# Altium PCB GameBoard_V1I1.PcbDoc (part 17 of 22)
Units mil, origin at the board's own origin, x right, y up, seen from the top; angles counter-clockwise.
Board outline 7165.35 x 2814.96 mil, 12 copper layers (L1, L2, L3, L4, L5 (PWR), L6 (PWR), L7 (PWR), L8 (PWR), L9, L10, L11, L12), stack 61.575 mil thick; 1551 components, 1072 nets, 5467 pads, 3785 vias.
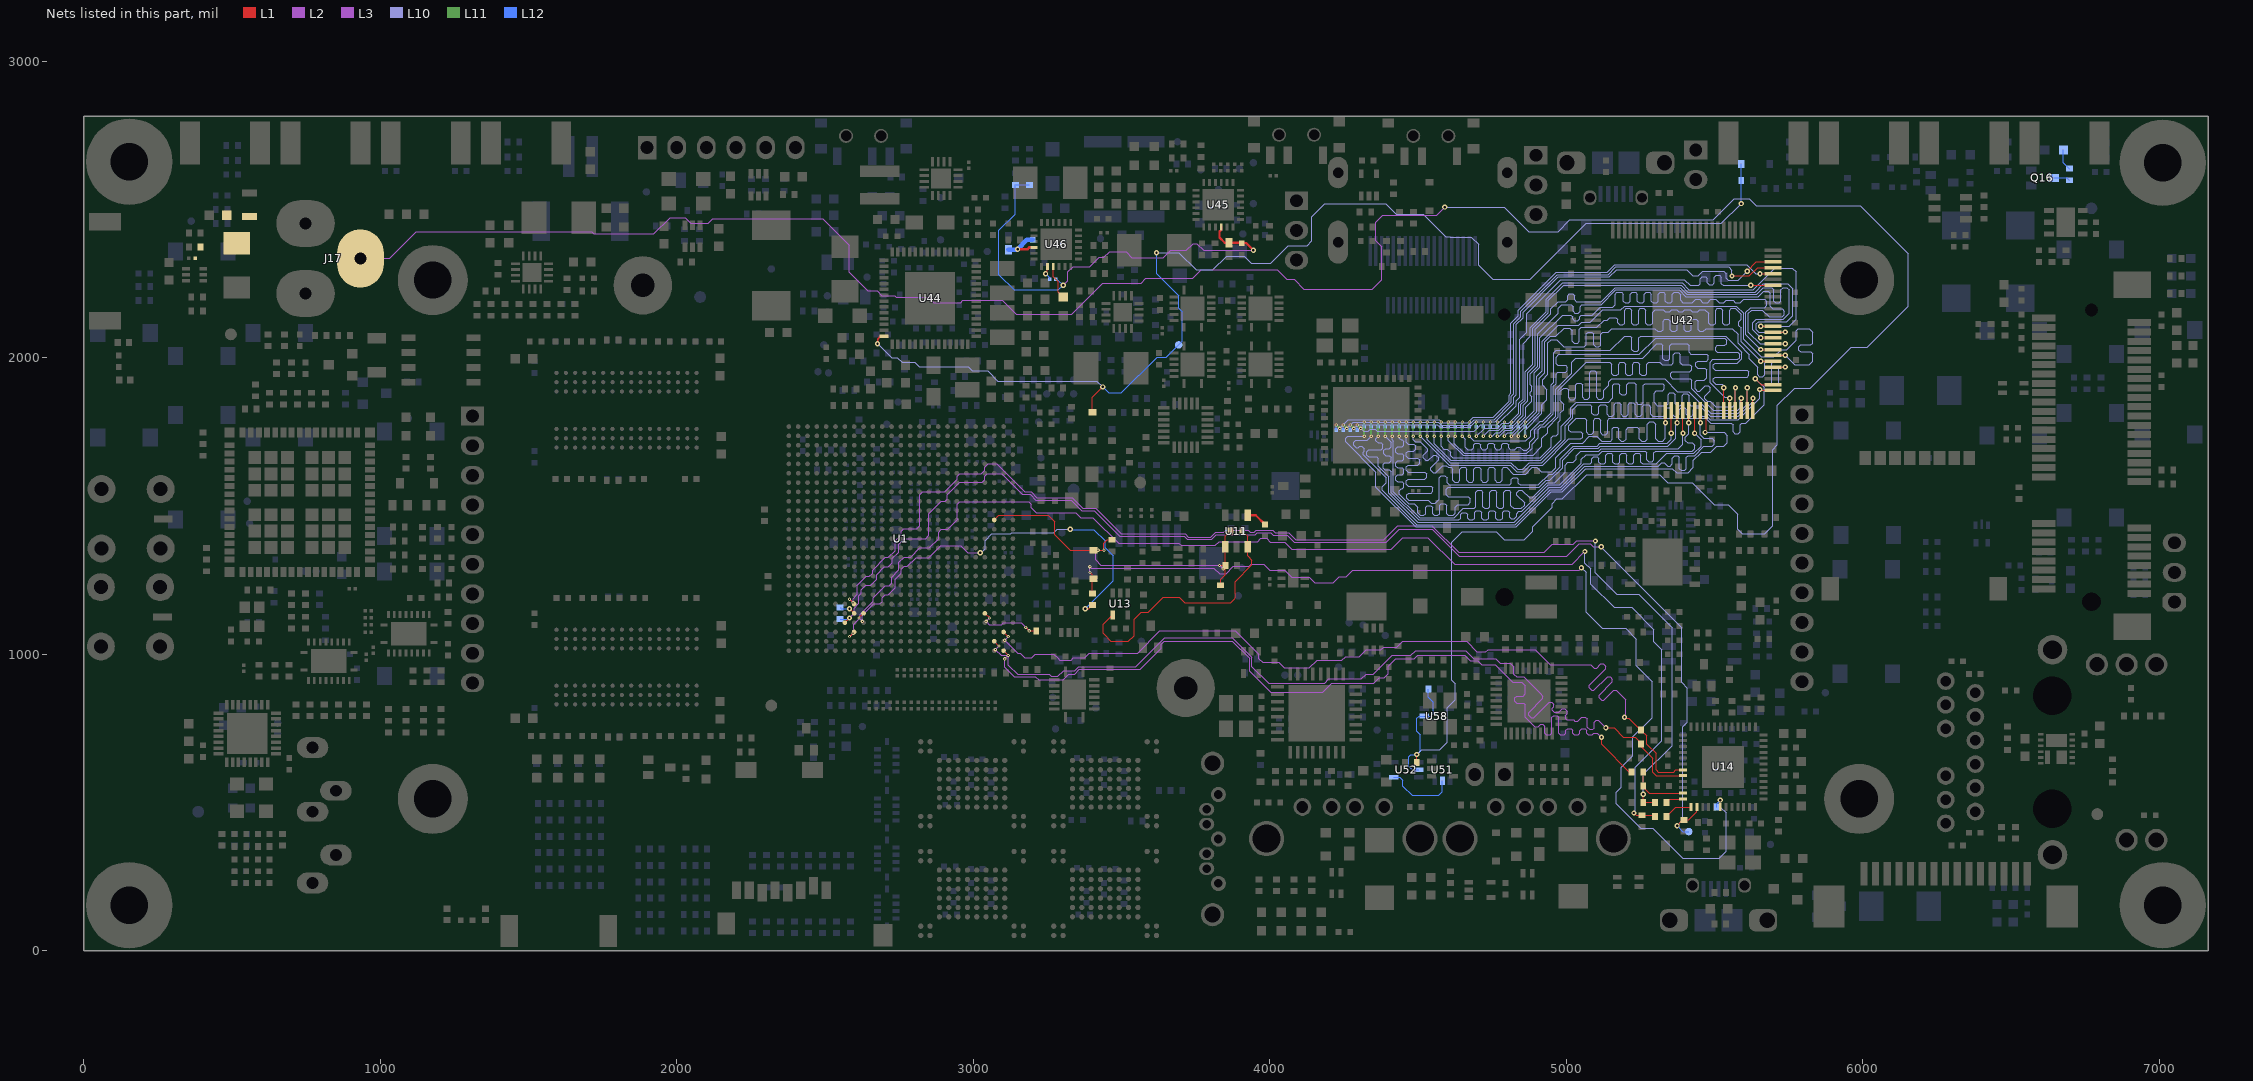
[diagram p27: the nets of this part, all layers, seen from the top]

## Via types
v1: diameter 17.72, hole 7.87, L1 to L12, 1935 vias
v2: diameter 17.72, hole 7.87, L1 to L12, tented both sides, 995 vias
v3: diameter 10.63, hole 3.94, L1 to L2, 334 vias
v4: diameter 11.81, hole 3.94, L2 to L3, 334 vias
v5: diameter 10.63, hole 3.94, L11 to L12, 94 vias
v6: diameter 11.81, hole 3.94, L10 to L11, 93 vias

## Nets (pads, with @x,y where several pads share a name; then routed paths per layer and width w, separated by ;. In a path a pad name is that pad's centre, name@x,y a point inside that pad or via, vN(x,y) a via of type N, cw(c..) or ccw(c..) an arc to the next point about the centre after c; other vN are vias at no path point) (continued)
POR_Bn: D3.1 R91.1 R96.1 R99.1 R108.1 U1.C11 U11.1 | length 1237.7
  L1 w3.15: U1.C11@3070.87,1452.76 3086.61,1468.5 3253.16,1468.5 3275.59,1446.08 3275.59,1402.6 3327.04,1351.15 D3.1@3405.51,1351.15 3416.34,1351.15 3417.09,1350.39 v3(3440.94,1350.39) 3440.94,1374.02 3452.76,1385.83 R96.1@3468.5,1385.83 ; v3(3830.71,1299.21) R91.1@3850.39,1299.21 ; R108.1@3834.65,1232.28 3834.65,1251.97 3850.39,1267.72 R91.1@3850.39,1299.21 ; R99.1@3868.11,1415.35 3850.39,1397.64 U11.1@3850.39,1362.2 R91.1@3850.39,1299.21
  L3 w3.15: v4(3421.26,1350.39) 3413.39,1342.52 3413.39,1317.7 3430.89,1300.2 3829.72,1300.2 v4(3842.52,1287.4)
  L2 w3.15: v4(3421.26,1350.39) v3(3440.94,1350.39) ; v3(3830.71,1299.21) v4(3842.52,1287.4)
POR_CT: C101.1 U11.4 | length 72.1
  L1 w7.87: U11.4@3925.2,1468.5 3952.76,1468.5 C101.1@3984.25,1437.01
POR_R_Bn: R99.2 U11.3 U13.4 | length 902.3
  L1 w3.15: U13.4@3470.47,1127.95 3465.55,1127.95 3437.99,1100.39 3437.99,1069.88 3464.57,1043.31 3523.62,1043.31 3543.31,1062.99 3543.31,1118.11 3566.93,1141.73 3590.55,1141.73 3640.75,1191.93 3695.09,1191.93 3713.79,1173.23 3867.86,1173.23 3882.87,1188.25 3882.87,1245.08 3939.96,1302.17 3939.96,1317.14 3925.2,1331.9 U11.3@3925.2,1362.2 3925.2,1397.64 R99.2@3907.48,1415.35
PowerGood2: D51.1 U46.3 | length 116.2
  L1 w3.15: U46.3@3269.69,2307.09 3269.69,2273.62 3287.4,2255.91 3287.4,2220.47 D51.1@3303.15,2204.72
PSEL2: R494.1 U46.2 | length 50.4
  L1 w3.15: v1(3244.09,2283.46) 3250,2289.37 U46.2@3250,2307.09
  L12 w3.15: v1(3244.09,2283.46) 3257.68,2269.88 R494.1@3257.68,2264.76
PWR_1V8WIFI: C524.1 C526.1 L19.2 R507.1 R509.2
PWR_LED_GRN_D: D41.1 R410.1 | length 71.1
  L12 w3.15: D41.1@6677.17,2700.79 6677.17,2657.48 R410.1@6696.85,2637.8
PWR_LED_GRN_Q: Q16.3 R410.2 | length 56.4
  L12 w3.15: Q16.3@6643.7,2606.3 6688.98,2606.3 R410.2@6696.85,2598.43
PWR_SEL: J17.3 R319.1 R678.1 U52.2 U58.2 | length 9723.7
  L1 w3.15: R319.1@4496.06,633.86 v1(4496.06,661.42)
  L3 w3.15: J17.3@933.07,2334.65 1031.5,2334.65 1121.06,2424.21 1713.58,2424.21 1720.47,2417.32 1922.4,2417.32 1977.51,2472.44 2028.54,2472.44 2047.24,2453.74 2106.51,2453.74 2121.82,2469.06 2491.57,2469.06 2581.69,2378.94 2581.69,2288.39 2644.68,2225.39 2675.41,2225.39 2692.14,2208.66 2721.25,2208.66 2722.23,2209.65 2734.46,2209.65 2740.37,2203.74 2848.63,2203.74 2866.35,2186.02 2957.68,2186.02 2964.57,2192.91 3098.43,2192.91 3144.69,2146.65 3332.89,2146.65 3437.22,2250.98 3565.94,2250.98 3582.68,2267.72 3740.16,2267.72 3768.7,2296.26 4025.22,2296.26 4057.7,2263.78 4082.68,2263.78 4115.16,2231.3 4346.46,2231.3 4377.95,2262.8 4377.95,2374.02 4358.27,2393.7 4358.27,2456.69 4381.89,2480.31 4562.99,2480.31 v1(4590.55,2507.87)
  L10 w3.15: v1(4496.06,661.42) 4512.8,678.15 4573.04,678.15 4598.43,703.53 4598.43,818.9 4625.98,846.46 4625.98,900.9 4614.17,912.71 4614.17,1377.95 4649.61,1413.39 4763.78,1413.39 4791.34,1385.83 4858.27,1385.83 4886.35,1413.9 4886.35,1429.13 4952.76,1495.54 4952.76,1507.87 4968.5,1523.62 4986.99,1523.62 5068.69,1605.31 5315.94,1605.31 5342.52,1578.74 5425.2,1578.74 5500,1503.94 5547.24,1503.94 5578.74,1472.44 5578.74,1421.26 5594.49,1405.51 5669.29,1405.51 5696.85,1433.07 5696.85,1690.17 5712.6,1705.92 5712.6,1839.78 5770.46,1897.64 5822.83,1897.64 5960.63,2035.43 6015.75,2035.43 6153.54,2173.23 6153.54,2350.39 5992.13,2511.81 5641.73,2511.81 5618.11,2535.43 5566.93,2535.43 5496.06,2464.57 5011.81,2464.57 4972.44,2425.2 4874.02,2425.2 4791.34,2507.87 v1(4590.55,2507.87)
  L12 w3.15: U52.2@4502.95,610.24 4480.31,610.24 4468.5,622.05 4468.5,653.54 4476.38,661.42 v1(4496.06,661.42) 4507.87,673.23 4507.87,728.35 4496.06,740.16 4496.06,783.46 4503.94,791.34 U58.2@4520.67,791.34 4543.31,791.34 4551.18,799.21 4551.18,838.58 4535.43,854.33 R678.1@4535.43,881.89
PWR_SEL_B: U51.2 U52.4 | length 243.5
  L12 w3.15: U52.4@4418.31,584.65 4438.98,584.65 4448.82,574.8 4448.82,555.12 4480.31,523.62 4570.87,523.62 4582.68,535.43 U51.2@4582.68,572.83
PWRON: D2.2 D44.2 R433.1 TP39.1 U44.56 | length 4189.8
  L1 w3.15: D2.2@3401.57,1815.72 3401.57,1866.14 v1(3437.01,1901.57)
  L1 w4.49: v2(2677.17,2047.24) 2677.17,2062.99 2687.01,2072.84 U44.56@2698.82,2072.84
  L10 w3.15: v2(2677.17,2047.24) 2724.41,2000 2744.3,2000 2760.05,1984.25 2803.15,1984.25 2817.91,1969.49 2983.27,1969.49 2997.05,1955.71 3048.23,1955.71 3082.68,1921.26 3417.32,1921.26 v1(3437.01,1901.57) ; v1(3618.11,2354.33) 3693.9,2354.33 3751.97,2296.26 3808.07,2296.26 3854.33,2342.52 3913.9,2342.52 3937.53,2318.9 4003.94,2318.9 4062.99,2377.95 4125.98,2377.95 4141.73,2393.7 4141.73,2475.27 4186.15,2519.68 4390.96,2519.68 4426.39,2484.25 4517.35,2484.25 4594.49,2407.11 4607.44,2407.11 4608.06,2406.5 4680.12,2406.5 4704.72,2381.89 4704.72,2311.02 4751.97,2263.78 4879.15,2263.78 5068.12,2452.76 5523.62,2452.76 v1(5590.55,2519.68)
  L12 w3.15: v1(3437.01,1901.57) 3456.69,1881.89 3500,1881.89 3620.08,2001.97 3651.57,2001.97 TP39.1@3692.91,2043.31 3705.71,2056.1 3705.71,2154.53 3692.91,2167.32 3692.91,2208.66 3618.11,2283.46 v1(3618.11,2354.33) ; D44.2@5589.8,2653.54 5589.8,2599.18 R433.1@5590.55,2598.43 v1(5590.55,2519.68)
QB0: R331.1 U42.10 | length 1903.9
  L1 w3.15: v2(5334.65,1780.51) U42.10@5334.65,1821.85
  L10 w3.15: v6(4484.25,1734.94) 4484.25,1722.44 4490.16,1716.54 4507.87,1716.54 4531.85,1692.56 4531.85,1684.21 4518.21,1670.57 4518.21,1662.22 4526.57,1653.87 4534.92,1653.87 4552.73,1671.68 4560,1671.68 4569.43,1662.25 4569.43,1654.98 4542.86,1628.4 4542.86,1620.05 4551.21,1611.7 4559.56,1611.7 4577.78,1629.92 4583.69,1635.83 4595.47,1635.83 4601.38,1629.92 4612.2,1629.92 4618.11,1624.02 4618.11,1586.3 4624.01,1580.4 4635.83,1580.4 4641.73,1586.3 4641.73,1624.02 4647.64,1629.92 4659.45,1629.92 4665.35,1624.02 4665.35,1586.3 4671.26,1580.4 4683.07,1580.4 4688.97,1586.3 4688.97,1624.02 4694.88,1629.92 4706.69,1629.92 4712.6,1624.02 4712.6,1586.3 4718.5,1580.4 4730.31,1580.4 4736.22,1586.3 4736.22,1624.02 4742.12,1629.92 4753.94,1629.92 4759.84,1624.02 4759.84,1586.3 4765.75,1580.4 4777.56,1580.4 4783.46,1586.3 4783.46,1624.02 4789.37,1629.92 4799.21,1629.92 4821.85,1607.28 4863.19,1607.28 4885.83,1629.92 4901.33,1629.92 4916.1,1615.16 4951,1615.16 4964.81,1628.97 4964.81,1653.63 4964.81,1661.98 5014.92,1712.09 5055.59,1712.09 5077.76,1734.25 5103.35,1734.25 5119.09,1718.5 5149.61,1718.5 5155.51,1724.41 5155.51,1759.84 5160.43,1764.76 5172.24,1764.76 5177.17,1759.84 5177.17,1726.38 5185.04,1718.5 5194.88,1718.5 5201.77,1725.39 5201.77,1756.89 5209.65,1764.76 5239.17,1764.76 5246.06,1757.87 5246.06,1726.38 5253.94,1718.5 5265.75,1718.5 5272.64,1725.39 5272.64,1774.82 5281.29,1783.46 5293.52,1783.46 5302.17,1774.82 5302.17,1727.36 5311.02,1718.5 5324.8,1718.5 5334.65,1728.35 v2(5334.65,1780.51)
  L11 w3.15: v6(4484.25,1734.94) v5(4484.25,1783.46)
  L12 w3.15: R331.1@4484.25,1766.34 v5(4484.25,1783.46)
QB1: R332.1 U42.11 | length 1902
  L1 w3.15: v2(5354.33,1745.08) U42.11@5354.33,1821.85
  L10 w3.15: v6(4460.63,1734.94) 4460.63,1714.57 4466.54,1708.66 4486.54,1708.66 4492.44,1702.76 4492.44,1690.94 4486.54,1685.04 4466.54,1685.04 4460.63,1679.13 4460.63,1667.32 4466.54,1661.42 4500,1661.42 4505.91,1655.51 4505.91,1643.7 4500,1637.8 4466.54,1637.8 4460.63,1631.89 4460.63,1620.08 4466.54,1614.17 4523.62,1614.17 4529.53,1608.27 4529.53,1596.46 4523.62,1590.55 4466.54,1590.55 4460.63,1584.65 4460.63,1572.83 4466.54,1566.93 4543.98,1566.93 4549.89,1561.02 4549.89,1549.21 4543.98,1543.31 4468.5,1543.31 4462.6,1537.4 4462.6,1525.59 4468.5,1519.69 4534.24,1519.69 4545.07,1508.86 4558.07,1508.86 4571.54,1522.33 4571.54,1595.16 4578.74,1602.36 4590.55,1602.36 4598.43,1594.49 4598.43,1578.62 4606.3,1570.75 4803.15,1570.75 4809.06,1570.75 4814.96,1576.66 4814.96,1589.71 4820.87,1595.61 4832.68,1595.61 4838.58,1589.71 4838.58,1576.66 4844.49,1570.75 4881.89,1570.75 4905.51,1570.75 4942.05,1607.28 4954.26,1607.28 4979.64,1632.66 4979.64,1657.32 5024.09,1701.77 5104.54,1701.77 5113.4,1710.63 5340.55,1710.63 5354.33,1724.41 v2(5354.33,1745.08)
  L11 w3.15: v6(4460.63,1734.94) v5(4460.63,1783.46)
  L12 w3.15: R332.1@4460.63,1766.34 v5(4460.63,1783.46)
QB2: R333.1 U42.12 | length 1903.4
  L1 w3.15: v2(5374.02,1780.51) U42.12@5374.02,1821.85
  L10 w3.15: v6(4437.01,1734.94) 4437.01,1729.04 4442.91,1723.13 4446.85,1723.13 4452.76,1717.22 4452.76,1705.41 4446.85,1699.51 4437.01,1699.51 4431.1,1699.51 4425.2,1693.6 4425.2,1681.79 4431.1,1675.89 4437.01,1675.89 4446.85,1675.89 4452.76,1669.98 4452.76,1658.17 4446.85,1652.26 4437.01,1652.26 4431.1,1652.26 4425.2,1646.36 4425.2,1634.55 4431.1,1628.64 4437.01,1628.64 4446.85,1628.64 4452.76,1622.74 4452.76,1610.93 4446.85,1605.02 4437.01,1605.02 4431.1,1605.02 4425.2,1599.11 4425.2,1587.3 4431.1,1581.4 4437.01,1581.4 4446.85,1581.4 4452.76,1575.49 4452.76,1563.68 4446.85,1557.78 4442.91,1557.78 4437.01,1551.87 4437.01,1543.31 4437.01,1539.93 4469.06,1507.87 4488.19,1507.87 4500,1496.06 4500,1476.94 4508.43,1468.5 4520.28,1468.5 4526.18,1474.41 4526.18,1495.17 4532.09,1501.07 4543.9,1501.07 4549.8,1495.17 4549.8,1474.41 4555.71,1468.5 4567.52,1468.5 4573.43,1474.41 4573.43,1501.97 4579.33,1507.88 4591.14,1507.88 4597.05,1501.97 4597.05,1474.41 4602.95,1468.5 4618.79,1468.5 4625.98,1475.7 4625.98,1496.06 4633.86,1503.94 4669.29,1503.94 4677.17,1511.81 4677.17,1523.62 4669.29,1531.5 4602.36,1531.5 4595.47,1538.39 4595.47,1556.1 4602.25,1562.88 4908.77,1562.88 4932.51,1586.61 4944.72,1586.61 4987.51,1629.4 4987.51,1654.06 5027.35,1693.9 5107.8,1693.9 5114.69,1700.79 5342.52,1700.79 5370.08,1728.35 v2@5370.08,1783.46
  L11 w3.15: v6(4437.01,1734.94) v5(4437.01,1783.46)
  L12 w3.15: R333.1@4437.01,1766.34 v5(4437.01,1783.46)
QB3: R334.1 U42.13 | length 1905.9
  L1 w3.15: v2(5393.7,1745.08) U42.13@5393.7,1821.85
  L10 w3.15: v6(4413.39,1734.94) 4413.39,1722.45 4417.32,1718.52 4417.32,1548.48 4505.17,1460.63 4622.05,1460.63 4653.54,1492.13 4689.71,1492.13 4695.62,1498.03 4695.62,1546.76 4701.52,1552.67 4713.33,1552.67 4719.24,1546.76 4719.24,1498.03 4725.14,1492.13 4736.95,1492.13 4742.86,1498.03 4742.86,1546.76 4748.77,1552.67 4760.58,1552.67 4766.48,1546.76 4766.48,1498.03 4772.39,1492.13 4784.2,1492.13 4790.1,1498.03 4790.1,1546.76 4796.01,1552.67 4807.82,1552.67 4813.73,1546.76 4813.73,1501.23 4822.83,1492.13 4849.16,1492.13 4859.58,1502.55 4859.58,1510.9 4833.82,1536.65 4833.82,1545 4842.18,1553.35 4850.53,1553.35 4876.28,1527.6 4884.63,1527.6 4935.77,1578.74 4960.63,1578.74 4996.06,1614.17 4996.06,1637.8 5004.92,1646.65 5023.26,1646.65 5033.28,1656.68 5033.28,1668.8 5049.52,1685.04 5110.08,1685.04 5117.95,1692.91 5377.95,1692.91 5393.7,1708.66 v2(5393.7,1745.08)
  L11 w3.15: v6(4413.39,1734.94) v5(4413.39,1783.46)
  L12 w3.15: R334.1@4413.39,1766.34 v5(4413.39,1783.46)
QB4: R335.1 U42.14 | length 1903.1
  L1 w3.15: v2(5413.39,1780.51) U42.14@5413.39,1821.85
  L10 w3.15: v6(4389.76,1734.94) 4409.45,1715.26 4409.45,1698.82 4403.54,1692.91 4391.06,1692.91 4385.15,1687.01 4385.15,1675.2 4391.06,1669.29 4403.54,1669.29 4409.45,1663.39 4409.45,1651.57 4403.54,1645.67 4388.41,1645.67 4382.5,1639.76 4382.5,1627.95 4388.41,1622.05 4403.54,1622.05 4409.45,1616.14 4409.45,1610.24 4409.45,1545.22 4501.91,1452.76 4637.85,1452.76 4643.76,1458.66 4643.76,1471.21 4649.66,1477.11 4661.48,1477.11 4667.38,1471.21 4667.38,1458.66 4673.29,1452.76 4685.1,1452.76 4691,1458.66 4691,1478.35 4696.91,1484.25 4708.72,1484.25 4714.63,1478.35 4714.63,1458.66 4720.53,1452.76 4732.34,1452.76 4738.25,1458.66 4738.25,1478.35 4744.15,1484.25 4755.96,1484.25 4761.87,1478.35 4761.87,1458.66 4767.77,1452.76 4779.59,1452.76 4785.49,1458.66 4785.49,1478.35 4791.4,1484.25 4803.21,1484.25 4809.11,1478.35 4809.11,1462.54 4814.96,1456.69 4824.86,1456.69 4832.68,1464.51 4832.68,1474.41 4840.55,1482.28 4850.45,1482.28 4939.03,1570.87 4977.57,1570.87 5051.18,1644.48 5051.18,1657.48 5066.93,1673.23 5109.4,1673.23 5121.21,1685.04 5265.75,1685.04 5271.65,1679.13 5271.65,1655.51 5277.56,1649.6 5289.37,1649.6 5295.28,1655.51 5295.28,1679.13 5301.18,1685.04 5425.2,1685.04 5433.07,1692.91 5433.07,1704.72 5425.2,1712.6 5409.45,1712.6 5401.57,1720.47 5401.57,1732.07 5413.39,1743.88 v2(5413.39,1780.51)
  L11 w3.15: v6(4389.76,1734.94) v5(4389.76,1783.46)
  L12 w3.15: R335.1@4389.76,1766.34 v5(4389.76,1783.46)
QB5: R336.1 U42.15 | length 1903.3
  L1 w3.15: v2(5433.07,1745.08) U42.15@5433.07,1821.85
  L10 w3.15: v6(4366.14,1734.94) 4358.27,1727.07 4358.27,1720.47 4366.14,1712.6 4375.99,1712.6 4381.89,1706.69 4381.89,1694.88 4375.99,1688.98 4333.97,1688.98 4328.06,1683.07 4328.06,1671.26 4333.97,1665.35 4360.24,1665.35 4366.14,1659.45 4366.14,1633.18 4401.57,1597.75 4401.57,1541.96 4498.65,1444.88 4824.19,1444.88 4942.3,1562.99 4980.83,1562.99 5059.57,1641.73 5080.71,1641.73 5086.61,1647.64 5086.61,1659.45 5092.52,1665.36 5104.33,1665.36 5110.24,1659.45 5110.24,1647.64 5116.14,1641.73 5127.95,1641.73 5133.86,1647.64 5133.86,1671.26 5139.76,1677.17 5151.57,1677.17 5157.48,1671.26 5157.48,1647.64 5163.39,1641.73 5175.2,1641.73 5181.1,1647.64 5181.1,1671.26 5187.01,1677.17 5198.82,1677.17 5204.72,1671.26 5204.72,1647.64 5210.63,1641.73 5222.44,1641.73 5228.35,1647.64 5228.35,1671.26 5234.25,1677.17 5246.06,1677.17 5251.97,1671.26 5251.97,1647.64 5257.87,1641.73 5304.38,1641.73 5339.82,1677.17 5429.81,1677.17 5454.72,1702.08 5454.72,1723.43 v2(5433.07,1745.08)
  L11 w3.15: v6(4366.14,1734.94) v5(4366.14,1783.46)
  L12 w3.15: R336.1@4366.14,1766.34 v5(4366.14,1783.46)
QB6: R337.1 U42.16 | length 1903
  L1 w3.15: v2(5452.76,1780.51) U42.16@5452.76,1821.85
  L10 w3.15: v6(4342.52,1734.94) 4329.03,1721.46 4290.35,1721.46 4283.46,1714.57 4283.46,1704.72 4291.34,1696.85 4299.21,1696.85 4303.15,1700.79 4311.02,1700.79 4318.9,1692.91 4318.9,1685.04 4314.96,1681.1 4314.96,1673.23 4393.7,1594.49 4393.7,1578.74 4378.94,1563.98 4378.94,1553.46 4495.39,1437.01 4827.45,1437.01 4945.56,1555.12 4984.09,1555.12 5062.84,1633.86 5311.02,1633.86 5322.83,1645.67 5330.71,1645.67 5342.52,1633.86 5350.39,1633.86 5358.27,1641.73 5358.27,1661.42 5366.14,1669.29 5375.98,1669.29 5381.89,1663.39 5381.89,1625.98 5387.8,1620.08 5399.61,1620.08 5405.51,1625.98 5405.51,1663.39 5411.42,1669.29 5433.07,1669.29 5464.57,1700.79 5492.13,1700.79 5500,1708.66 5500,1720.47 5492.13,1728.35 5464.57,1728.35 5452.76,1740.16 v2(5452.76,1780.51)
  L11 w3.15: v6(4342.52,1734.94) v5(4342.52,1783.46)
  L12 w3.15: R337.1@4342.52,1766.34 v5(4342.52,1783.46)
QB7: R338.1 U42.17 | length 1902.4
  L1 w3.15: v2@5472.44,1745.08 U42.17@5472.44,1821.85
  L10 w3.15: v6(4318.9,1734.94) 4262.5,1734.94 4255.91,1728.35 4255.91,1715.86 4358.27,1613.5 4358.27,1562.99 4492.13,1429.13 4830.71,1429.13 4948.82,1547.24 4987.36,1547.24 5066.1,1625.98 5358.27,1625.98 5372.05,1612.2 5411.42,1612.2 5429.13,1629.92 5429.13,1653.54 5456.69,1681.1 5488.19,1681.1 5507.87,1700.79 5530.51,1700.79 5543.31,1713.58 5543.31,1737.2 5532.48,1748.03 v2(5468.5,1748.03)
  L11 w3.15: v6(4318.9,1734.94) v5(4318.9,1783.46)
  L12 w3.15: R338.1@4318.9,1766.34 v5(4318.9,1783.46)
QDE: R361.1 U42.46 | length 1906.6
  L1 w3.15: v1(5653.54,2283.46) U42.46@5697.83,2283.46
  L10 w3.15: v6(4236.22,1761.22) 4265.35,1790.35 4571.33,1790.35 4581.17,1780.51 4668.37,1780.51 4687.07,1799.21 4753.32,1799.21 4807.09,1852.98 4807.09,1874.02 4812.99,1879.92 4812.99,2115.98 4838.58,2141.58 4838.58,2160.07 4966.9,2288.39 5138.01,2288.39 5163.6,2313.98 5608.48,2313.98 5638.99,2283.46 v1(5653.54,2283.46)
  L11 w3.15: v5(4224.41,1773.03) v6(4236.22,1761.22)
  L12 w3.15: R361.1@4224.41,1755.91 v5(4224.41,1773.03)
QE0: R339.1 U42.20 | length 1906.6
  L1 w3.15: U42.20@5531.5,1821.85 v2(5531.5,1898.62)
  L10 w3.15: v6(4673.23,1734.94) 4688.68,1719.49 4864.07,1719.49 4879.71,1735.12 4879.71,1753.57 4912.35,1786.21 4921.26,1786.21 4948.98,1813.92 4948.98,1908.41 4957.89,1917.32 4957.89,2015.96 4966.54,2024.61 5148.62,2024.61 5196.85,2072.83 5215.95,2072.83 5221.86,2066.93 5221.86,2027.33 5227.76,2021.42 5239.58,2021.42 5245.48,2027.33 5245.48,2066.93 5251.39,2072.83 5257.29,2072.83 5538.69,2072.83 5592.52,2019.01 5592.52,1996.74 5577.08,1981.3 5502.28,1981.3 5496.37,1975.39 5496.37,1963.58 5502.28,1957.68 5610.24,1957.68 5616.14,1951.77 5616.14,1939.96 5610.24,1934.06 5502.28,1934.06 5496.37,1928.15 5496.37,1918.07 5504,1910.43 5525.59,1910.43 5531.5,1904.53 v2(5531.5,1898.62)
  L11 w3.15: v6(4673.23,1734.94) v5(4673.23,1783.46)
  L12 w3.15: R339.1@4673.23,1766.34 v5(4673.23,1783.46)
QE1: R340.1 U42.21 | length 1901.7
  L1 w3.15: U42.21@5551.18,1821.85 v2(5551.18,1863.19)
  L10 w3.15: v6(4649.61,1734.94) 4660.14,1724.41 4660.14,1698.13 4668.31,1689.96 4682.09,1689.96 4687.99,1695.87 4687.99,1705.71 4693.9,1711.62 4705.71,1711.62 4711.61,1705.71 4711.61,1695.87 4717.52,1689.96 4729.33,1689.96 4735.24,1695.87 4735.24,1705.71 4741.14,1711.62 4752.95,1711.62 4758.86,1705.71 4758.86,1695.87 4764.76,1689.96 4776.57,1689.96 4782.48,1695.87 4782.48,1705.71 4788.39,1711.62 4800.2,1711.62 4806.1,1705.71 4806.1,1695.87 4812.01,1689.96 4826.98,1689.96 4835.63,1698.61 4843.71,1698.61 4854.33,1687.99 4866.35,1687.99 4876.97,1698.61 4876.97,1715.55 4893.7,1732.28 4893.7,1756.42 4911.88,1774.61 4920.79,1774.61 4956.85,1810.66 4956.85,1903.54 4965.76,1912.45 4965.76,1920.28 4965.76,1927.17 4965.76,1944.88 4971.67,1950.79 4997.97,1950.79 5003.87,1956.69 5003.87,1968.5 4997.97,1974.41 4971.67,1974.41 4965.76,1980.31 4965.76,1986.22 4965.76,2001.19 4975.39,2010.83 5247.05,2010.83 5301.18,2064.96 5535.43,2064.96 5541.34,2059.06 5541.34,2047.24 5535.43,2041.34 5509.84,2041.34 5503.94,2035.43 5503.94,2023.62 5509.84,2017.72 5578.74,2017.72 5584.65,2011.81 5584.65,2000 5578.74,1994.09 5494.09,1994.09 5485.24,1985.24 5485.24,1915.35 5534.45,1866.14 v2@5547.24,1866.14
  L11 w3.15: v6(4649.61,1734.94) v5(4649.61,1783.46)
  L12 w3.15: R340.1@4649.61,1766.34 v5(4649.61,1783.46)
QE2: R341.1 U42.22 | length 1903.6
  L1 w3.15: U42.22@5570.87,1821.85 v2(5570.87,1898.62)
  L10 w3.15: v6(4625.98,1734.94) 4623.03,1731.99 4623.03,1710.42 4655.3,1678.15 4867.64,1678.15 4884.84,1695.35 4884.84,1708.87 4905.51,1729.54 4905.51,1757.1 4915.14,1766.73 4928.15,1766.73 4964.72,1803.31 4964.72,1893.86 5018.7,1947.83 5018.7,1984.25 5032.48,1998.03 5257.87,1998.03 5306.1,2046.26 5319.88,2046.26 5325.79,2040.35 5325.79,1997.05 5331.69,1991.14 5343.5,1991.14 5349.41,1997.05 5349.41,2040.35 5355.31,2046.26 5408.46,2046.26 5414.79,2039.94 5414.79,2017.72 5420.69,2011.81 5473.43,2011.81 5479.33,2005.91 5479.33,1994.09 5473.43,1988.19 5442.91,1988.19 5437.01,1982.28 5437.01,1970.47 5442.91,1964.57 5467.52,1964.57 5473.43,1958.66 5473.43,1932.09 5465.55,1924.21 5439.96,1924.21 5434.44,1918.69 5434.44,1895.59 5442.79,1887.24 5451.14,1887.24 5469.41,1905.51 5479.33,1905.51 5486.22,1898.62 5486.22,1888.92 5467.84,1870.54 5467.84,1862.19 5476.19,1853.84 5485.88,1853.84 5505.07,1834.65 5561.02,1834.65 5570.87,1844.49 v2(5570.87,1898.62)
  L11 w3.15: v6(4625.98,1734.94) v5(4625.98,1783.46)
  L12 w3.15: R341.1@4625.98,1766.34 v5(4625.98,1783.46)
QE3: R343.1 U42.23 | length 1905.6
  L1 w3.15: U42.23@5590.55,1821.85 v2(5590.55,1863.19)
  L10 w3.15: v6(4602.36,1734.94) 4602.36,1719.95 4652.04,1670.28 4888.01,1670.28 4918.31,1700.58 4918.31,1728.14 4937.01,1746.84 4937.01,1764.45 4972.6,1800.05 4972.6,1889.92 5066.93,1984.25 5147.64,1984.25 5153.54,1978.35 5153.54,1945.86 5159.45,1939.96 5171.26,1939.96 5177.17,1945.86 5177.17,1978.35 5183.07,1984.25 5194.88,1984.25 5200.79,1978.35 5200.79,1945.86 5206.69,1939.96 5218.5,1939.96 5224.41,1945.86 5224.41,1978.35 5230.32,1984.25 5242.13,1984.25 5248.03,1978.35 5248.03,1945.86 5253.94,1939.96 5265.75,1939.96 5271.65,1945.86 5271.65,1978.35 5277.56,1984.25 5315.94,1984.25 5323.82,1976.38 5355.31,1976.38 5361.22,1982.28 5361.22,2010.75 5367.13,2016.66 5378.94,2016.66 5384.84,2010.75 5384.84,1982.28 5390.75,1976.38 5417.32,1976.38 5423.23,1970.47 5423.23,1958.66 5417.32,1952.76 5357.84,1952.76 5351.94,1946.85 5351.94,1935.04 5357.84,1929.13 5418.31,1929.13 5424.21,1923.23 5424.21,1894.68 5496.06,1822.83 5578.74,1822.83 5586.61,1830.71 v2@5586.61,1866.14
  L11 w3.15: v6(4602.36,1734.94) v5(4602.36,1783.46)
  L12 w3.15: R343.1@4602.36,1766.34 v5(4602.36,1783.46)
QE4: R344.1 U42.24 | length 1903.1
  L1 w3.15: U42.24@5610.24,1821.85 v2(5610.24,1898.62)
  L10 w3.15: v6(4578.74,1734.94) 4578.74,1700.79 4587.6,1691.93 4598.43,1691.93 4609.74,1680.61 4609.74,1669.78 4617.13,1662.4 4911.63,1662.4 4948.82,1699.59 4948.82,1729.33 4956.69,1737.2 4966.54,1737.2 4973.43,1744.09 4973.43,1782.48 4980.47,1789.53 4980.47,1813.98 4991.14,1824.65 4991.14,1843.66 4980.47,1854.33 4980.47,1885.98 4992.13,1897.64 5001.97,1897.64 5007.87,1891.73 5007.87,1864.57 5013.78,1858.67 5025.59,1858.67 5031.5,1864.57 5031.5,1908.47 5037.4,1914.37 5049.21,1914.37 5055.12,1908.47 5055.12,1866.14 5061.02,1860.23 5072.83,1860.23 5078.74,1866.14 5078.74,1949.62 5084.65,1955.52 5096.46,1955.52 5102.36,1949.62 5102.36,1866.14 5108.27,1860.23 5120.08,1860.23 5125.98,1866.14 5125.98,1889.55 5142.72,1906.29 5142.72,1918.31 5153.54,1929.13 5331.69,1929.13 5375,1885.83 5414.06,1885.83 5486.9,1812.99 5580.03,1812.99 5610.24,1843.2 v2(5610.24,1898.62)